# Altium PCB lte-router_V2.PcbDoc (part 1 of 2)
Units mm, origin at the board's own origin, x right, y up, seen from the top; angles counter-clockwise.
Board outline 80 x 50 mm, 4 copper layers (Top Layer, Inner Layer 2, Inner Layer 3, Bottom Layer), stack 1.443 mm thick; 105 components, 102 nets, 432 pads, 349 vias.
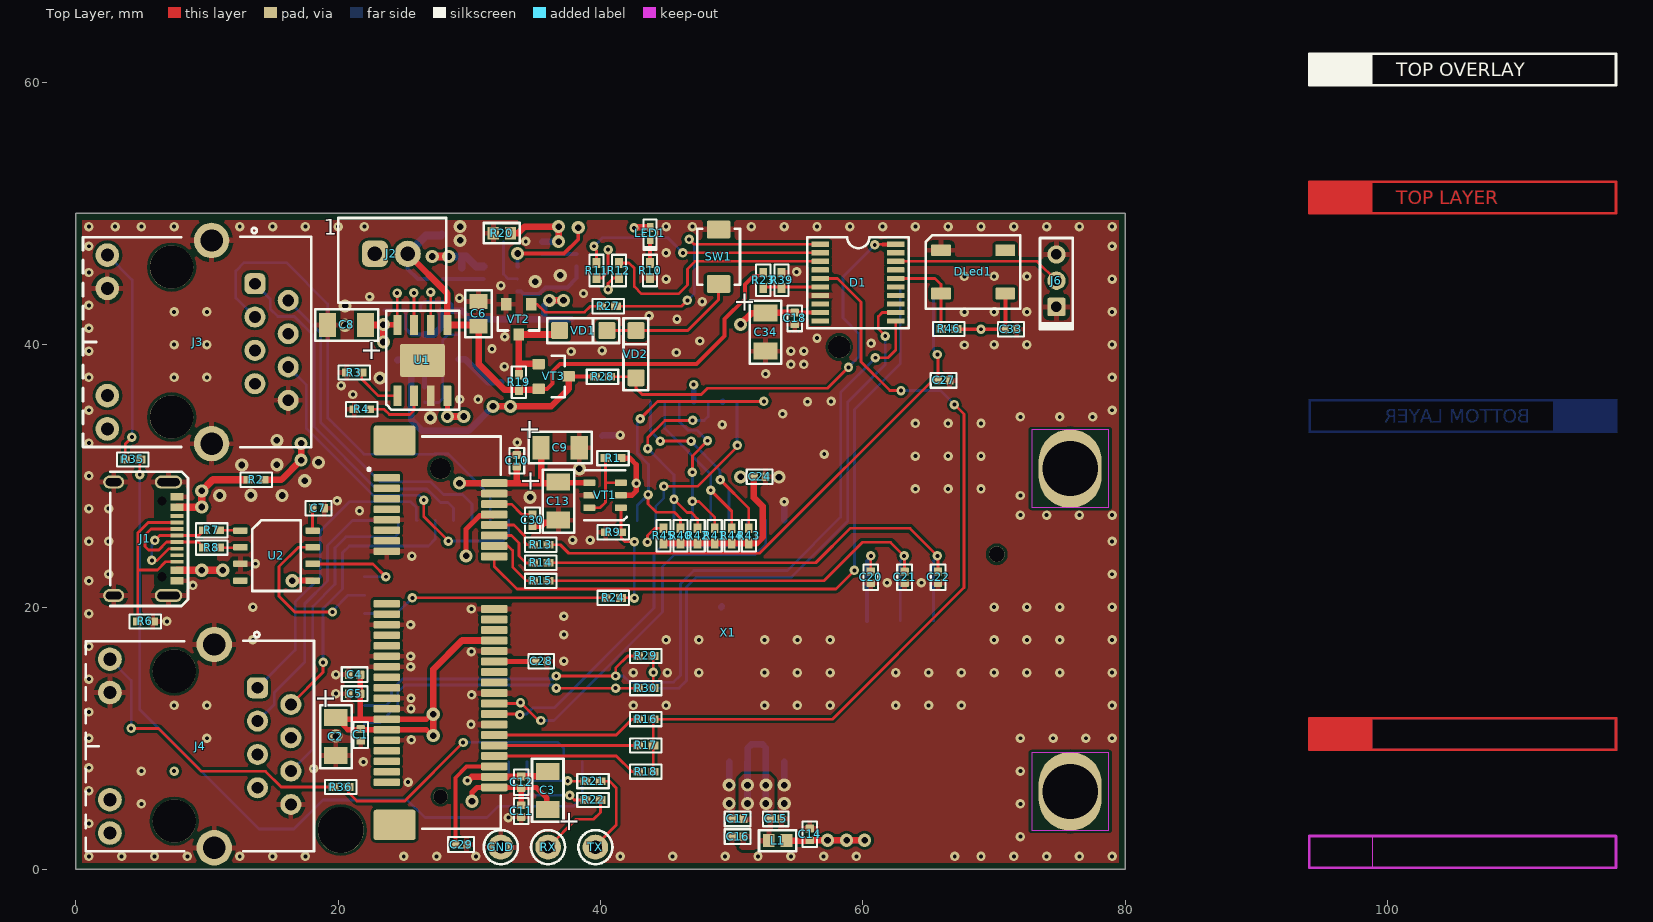
[diagram p0: Top Layer view]
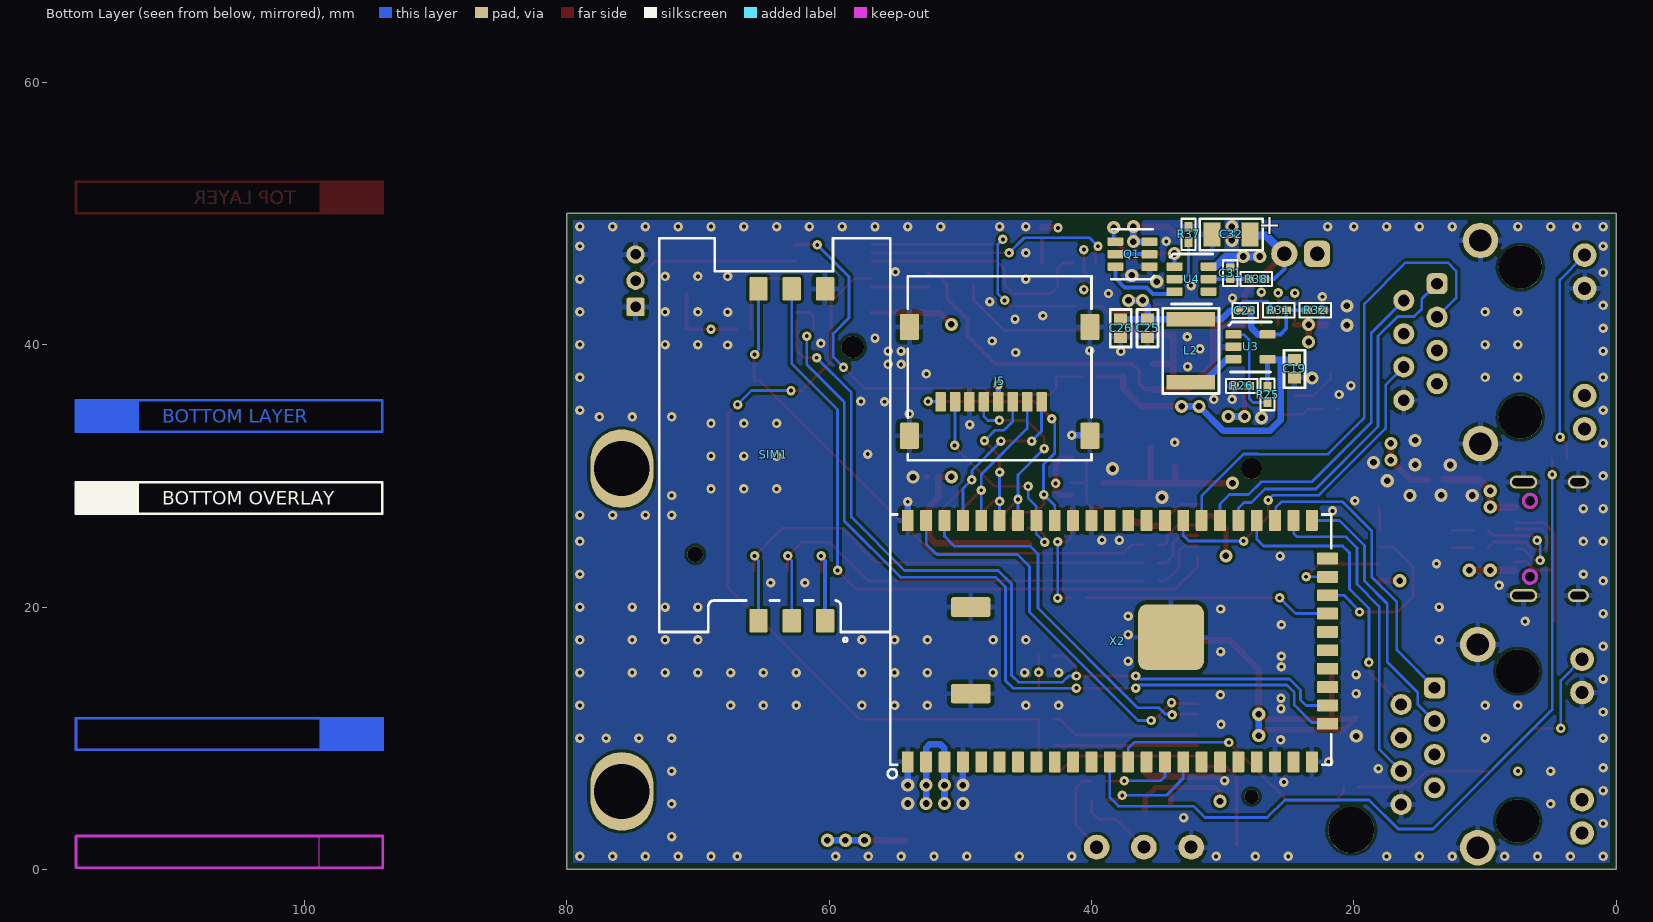
[diagram p1: Bottom Layer view, seen from below]
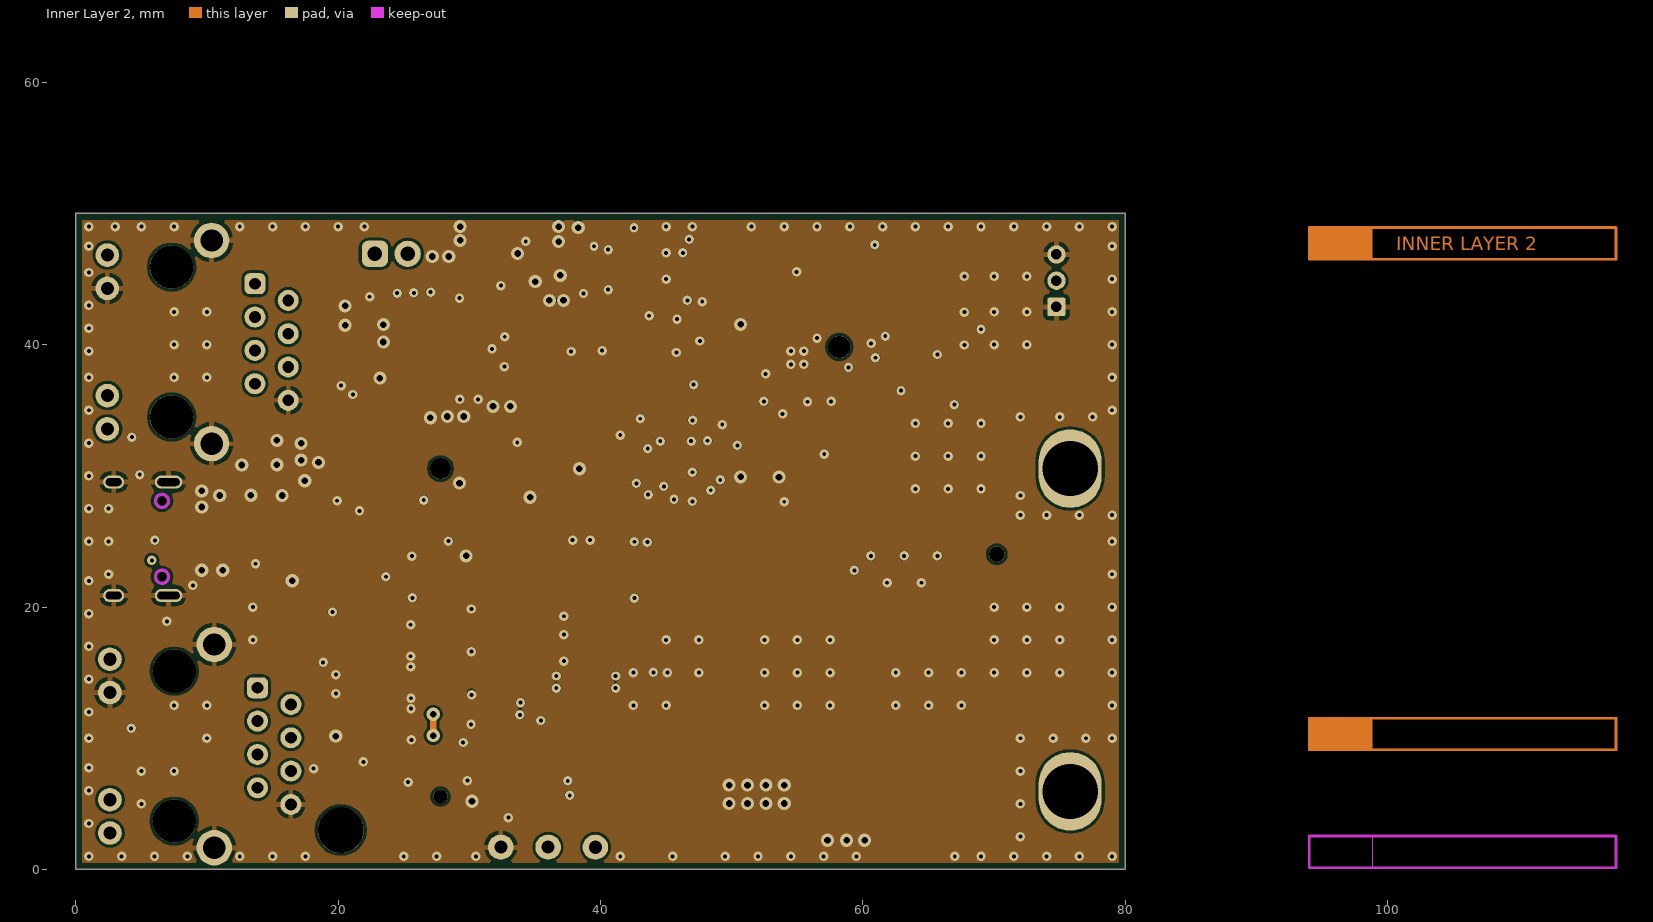
[diagram p2: Inner Layer 2]
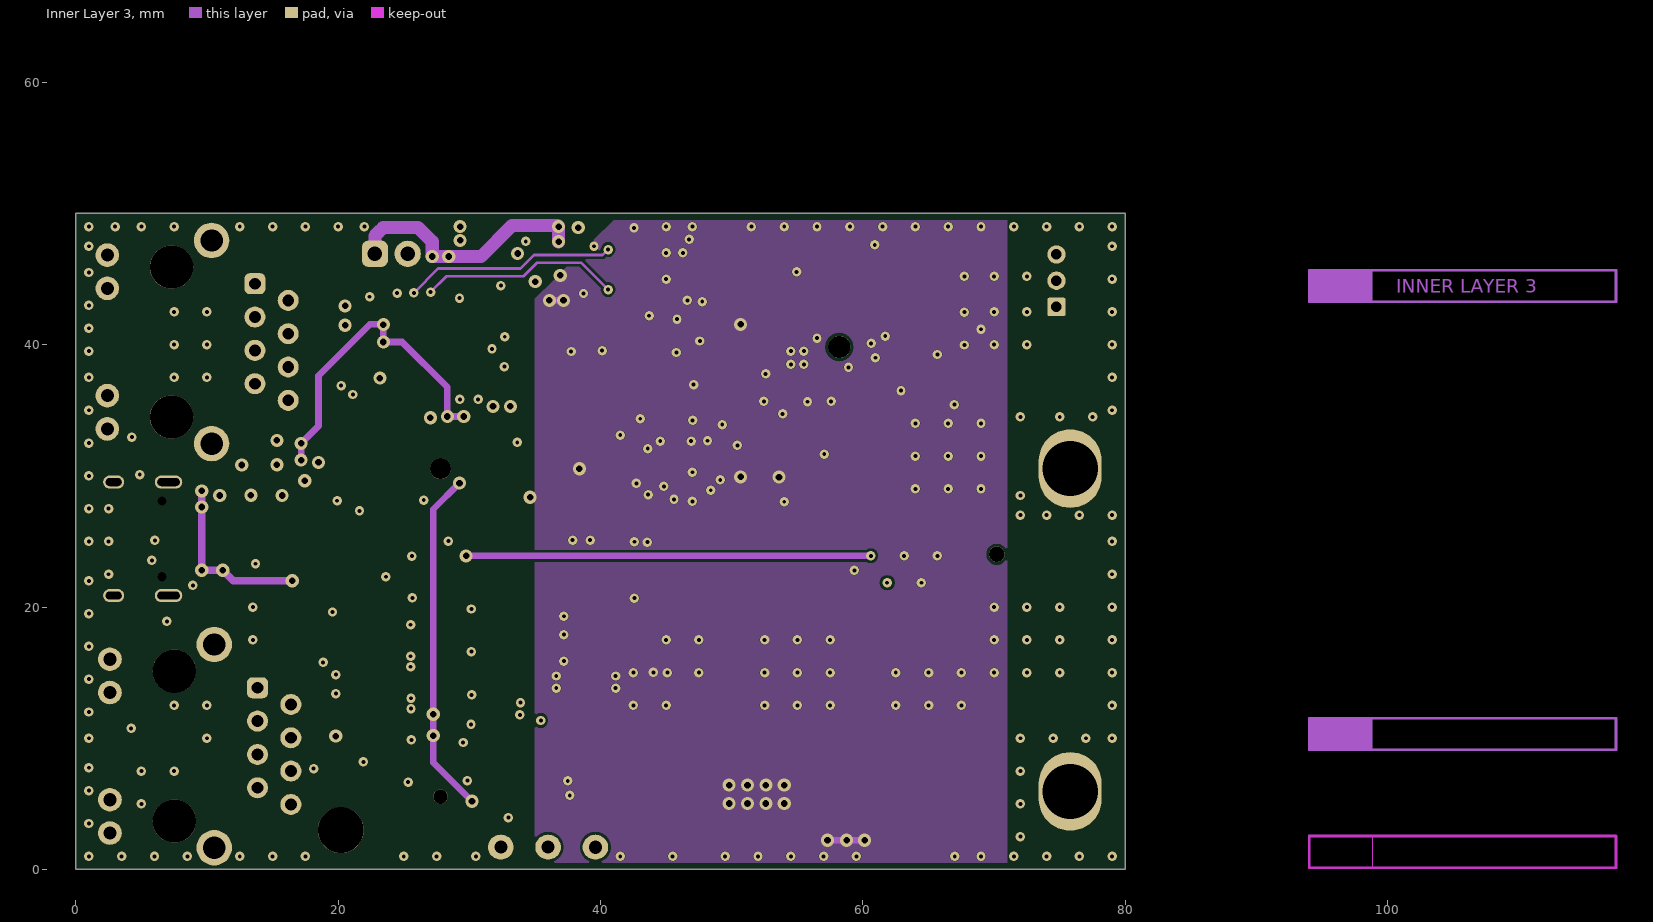
[diagram p3: Inner Layer 3]
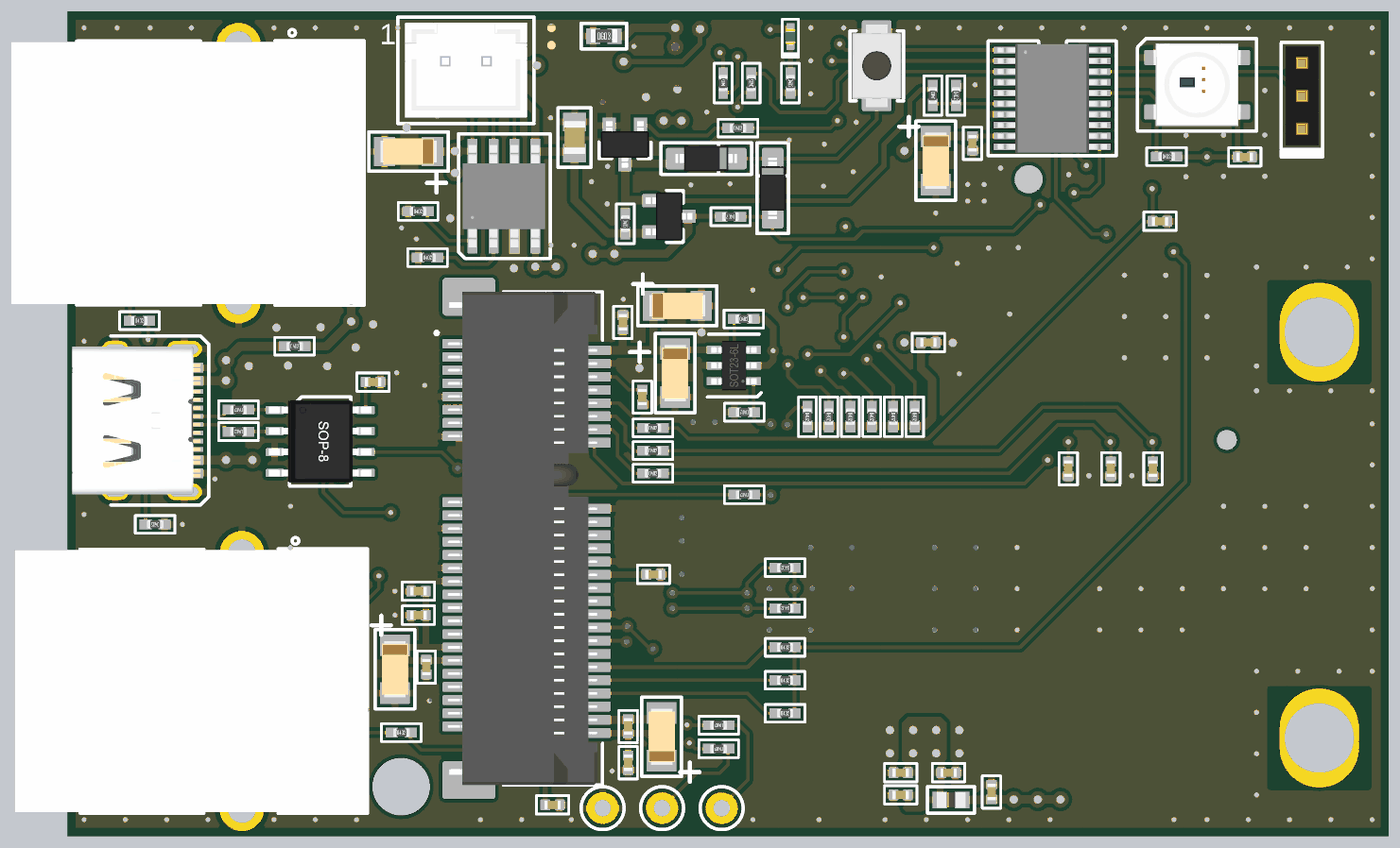
[diagram p5: 3D render of the assembled board from above, using the file's embedded part models]
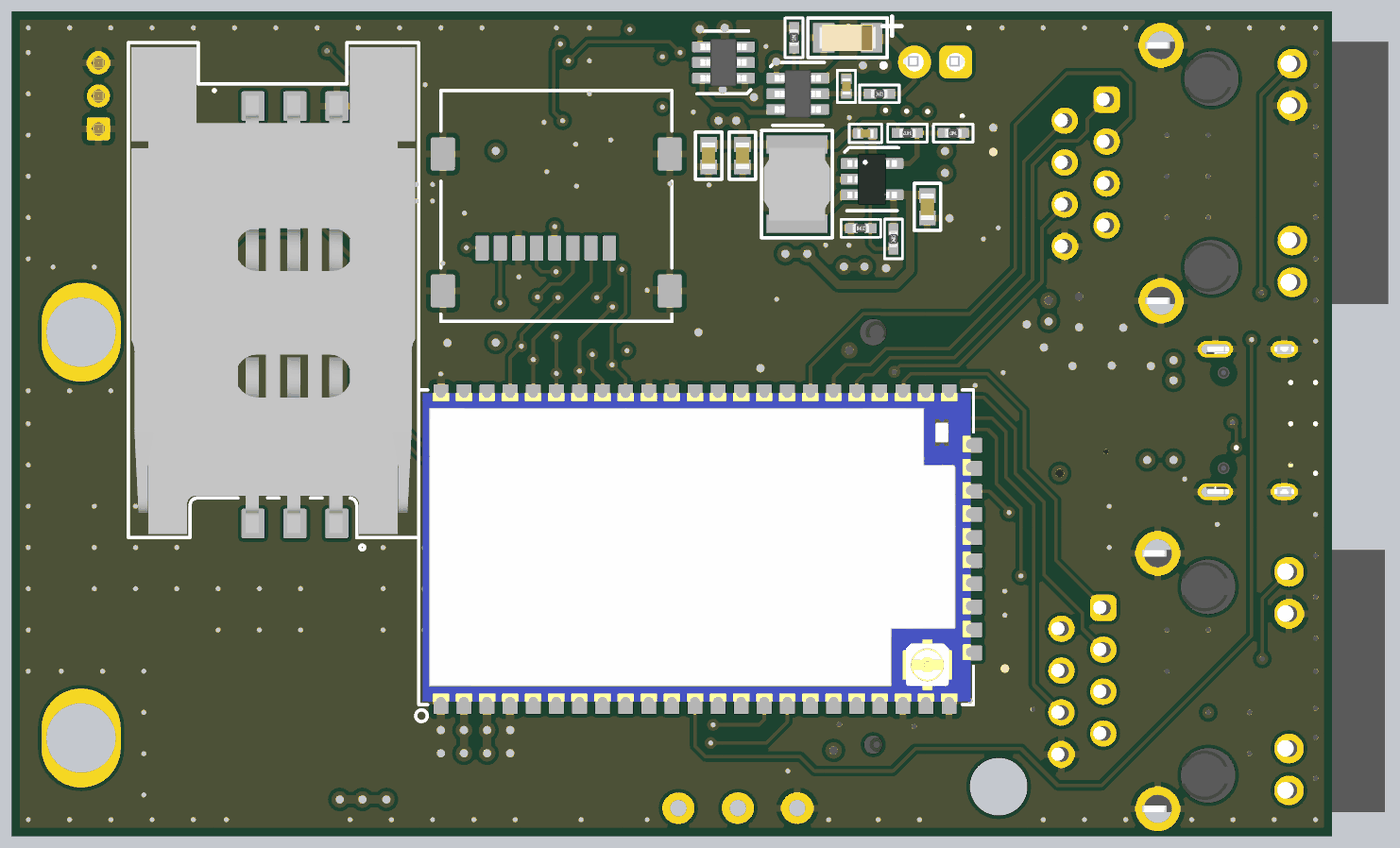
[diagram p6: 3D render of the assembled board from below, using the file's embedded part models]

## Layer stack, top to bottom
Top Solder: solder mask 0.0102, Solder Resist, Dk 3.5
Top Layer: signal copper 0.0356
Dielectric1: core 0.55, FR-4, Dk 4.2
Inner Layer 2: signal copper 0.036
Dielectric 4: prepreg 0.2, Dk 4.2
Inner Layer 3: signal copper 0.0356
Dielectric2: core 0.55, FR-4, Dk 4.2
Bottom Layer: signal copper 0.0356
Bottom Solder: solder mask 0.0102, Solder Resist, Dk 3.5

## Board outline
0,0 80,0 80,50 0,50

## Design rules (kind name [scope] priority, off if disabled: settings)
BoardOutlineClearance [not WithinRoom('Layers_Room')] p1: gap=0.3 ignorepadtopadclearanceinfootprint=FALSE
Clearance Pad_Via [IsVia vs IsPad] p1: gap=0.25 ignorepadtopadclearanceinfootprint=FALSE except(0: Arc-Hole Track-Hole SMDPad-Hole THPad-Hole Via-Hole Fill-Hole Poly-Hole Region-Hole Text-Hole)
Clearance MH [HasFootprint('HOLE3_D3.5_NM') vs not (OnLayer('Keep-Out Layer') or (InPadClass('Battery Pads')))] p2: gap=5.5 ignorepadtopadclearanceinfootprint=FALSE except(0: Arc-Hole Track-Hole SMDPad-Hole THPad-Hole Via-Hole Fill-Hole Poly-Hole Region-Hole Text-Hole)
Clearance "Keepout Layer" [(OnLayer('Keep-Out Layer')) and not WithinRoom('Room_sign')] p3 off: gap=2.2 ignorepadtopadclearanceinfootprint=FALSE except(0: Arc-Hole Track-Hole SMDPad-Hole THPad-Hole Via-Hole Fill-Hole Poly-Hole Region-Hole Text-Hole)
Clearance Clearance_Q8 [InComponent('Q8')] p4 off: gap=0.3 ignorepadtopadclearanceinfootprint=FALSE except(0: Arc-Hole Track-Hole SMDPad-Hole THPad-Hole Via-Hole Fill-Hole Poly-Hole Region-Hole Text-Hole)
Clearance MH_0.5MM [InPadClass('MH CLR 0.5') vs not (OnLayer('Keep-Out Layer'))] p5 off: gap=0.5 ignorepadtopadclearanceinfootprint=FALSE except(0: Arc-Hole Track-Hole SMDPad-Hole THPad-Hole Via-Hole Fill-Hole Poly-Hole Region-Hole Text-Hole)
Clearance SMD-->TH_Conn [InComponent('J1')] p6: gap=0 ignorepadtopadclearanceinfootprint=FALSE
Clearance SMD-->TH [IsSMTPin vs IsPadHoleValid] p7: gap=1 ignorepadtopadclearanceinfootprint=FALSE except(0: Arc-Hole Track-Hole SMDPad-Hole THPad-Hole Via-Hole Fill-Hole Poly-Hole Region-Hole Text-Hole)
Clearance DVC_A_Reinforced [InNetClass('DVC_A') or InNetClass('UT_1_Nets') or InNetClass('UT_2_Nets') or InNetClass('UT_3_Nets') or InNetClass('U_FS11_Nets') or InNetClass('U_FS12_Nets') or   InNetClass('U_PowerLV_Nets') or InNetClass('U_Esp32_Nets') vs not ( InNetClass('DVC_A') or InNetClass('UT_1_Nets') or InNetClass('UT_2_Nets') or InNetClass('UT_3_Nets') or InNetClass('U_FS11_Nets') or InNetClass('U_FS12_Nets') or   InNetClass('U_PowerLV_Nets')   or InNetClass('U_Esp32_Nets') or OnLayer('Keep-Out Layer') or InPadClass('Battery Pads'))] p8 off: gap=5.5 ignorepadtopadclearanceinfootprint=FALSE except(0: Arc-Hole Track-Hole SMDPad-Hole THPad-Hole Via-Hole Fill-Hole Poly-Hole Region-Hole Text-Hole)
Clearance Functional_600_1 [InNetClass('V614DC_1') vs not (( InNetClass('V614DC_1')  or InNetClass('T1_Hi') or HasFootprint('DPAK228P991X239-3N') )  or HasFootprint('TRANS ECO2425SLD'))] p9 off: gap=3.2 ignorepadtopadclearanceinfootprint=FALSE except(0: Arc-Hole Track-Hole SMDPad-Hole THPad-Hole Via-Hole Fill-Hole Poly-Hole Region-Hole Text-Hole)
Clearance FUNCTIOAL_250ac_L_1 [InNetClass('V220AC_L_1') vs not ( InNetClass('V220AC_L_1')   or InNetClass('J_NC') )] p10 off: gap=1 ignorepadtopadclearanceinfootprint=FALSE except(0: Arc-Hole Track-Hole SMDPad-Hole THPad-Hole Via-Hole Fill-Hole Poly-Hole Region-Hole Text-Hole)
Clearance [not WithinRoom('Layers_Room')] p11: gap=0.21 ignorepadtopadclearanceinfootprint=FALSE
ComponentClearance [not InComponent('GND') vs InComponent('X1')] p1: gap=0.8 collisioncheckmode=3 verticalgap=0.254 showdistances=FALSE
Height [All] p1: minheight=0 maxheight=35 prefheight=12.7
HoleSize [All] p1: absolutevalues=TRUE maxlimit=6 minlimit=0.3 maxpercent=80.000 minpercent=20.000
HoleToHoleClearance [All] p1: gap=0.45 allowstackedmicrovias=TRUE
MatchedLengths MatchedLengths_USB20 [InDifferentialPairClass('DP_20')] p1: tolerance=1.25 checknetsindiffpair=TRUE checkdiffpairvsdiffpair=FALSE checkxsignals=FALSE checkothers=FALSE usedelayunits=FALSE
MatchedLengths MatchedLengthsUSBSS [InDifferentialPairClass('DP_30')] p2: tolerance=0.12 checknetsindiffpair=TRUE checkdiffpairvsdiffpair=FALSE checkxsignals=FALSE checkothers=FALSE usedelayunits=FALSE
MinimumSolderMaskSliver [All] p1: minsoldermaskwidth=0.102
PolygonConnect PolygonConnect_Dirrect [InComponent('U1')] p1: connectstyle=Direct reliefconductorwidth=0.4 reliefentries=4 polygonreliefangle="90 Angle" airgapwidth=0.3
PolygonConnect [All] p2: thpad.connectstyle=Relief thpad.reliefconductorwidth=0.4 thpad.reliefentries=4 thpad.polygonreliefangle="90 Angle" thpad.airgapwidth=0.3 smdpad.connectstyle=Relief smdpad.reliefconductorwidth=0.4 smdpad.reliefentries=4 smdpad.polygonreliefangle="90 Angle" smdpad.airgapwidth=0.3 via.connectstyle=Direct via.reliefconductorwidth=0.4 via.reliefentries=4 via.polygonreliefangle="90 Angle" via.airgapwidth=0.3
RoomDefinition Layers_Room [False] p1: confinementstyle=ConfineIn formatcopy=TRUE lockcomponents=FALSE outline 87.85,70.65 123.75,70.65 123.75,-5.725 87.85,-5.725
RoutingVias [All] p1: holewidth=0.3 width=0.72 viastyle="Through Hole" minholewidth=0.3 minwidth=0.72 maxholewidth=0.8 maxwidth=1.5
SilkToSilkClearance [All] p1: silktosilkclearance=0
SilkToSolderMaskClearance SilkToSolderMaskClearance_0402 [IsPad] p1: minsilkscreentomaskgap=0.16 clearancetoexposedcopper=TRUE
SilkToSolderMaskClearance [IsPad] p2: minsilkscreentomaskgap=0.2 clearancetoexposedcopper=TRUE
SolderMaskExpansion SolderMaskExpansion_Via_NoMask [IsVia] p1: expansion=-5
SolderMaskExpansion [All] p2: expansion=0.025
UnRoutedNet [All] p1: checkbadconnections=TRUE
Width [not WithinRoom('Layers_Room')] p1: maxlimit=5 minlimit=0.21 preferedwidth=0.4
22 further rules are at their usual default settings.
